# Altium PCB LED Matrix.PcbDoc (continued)
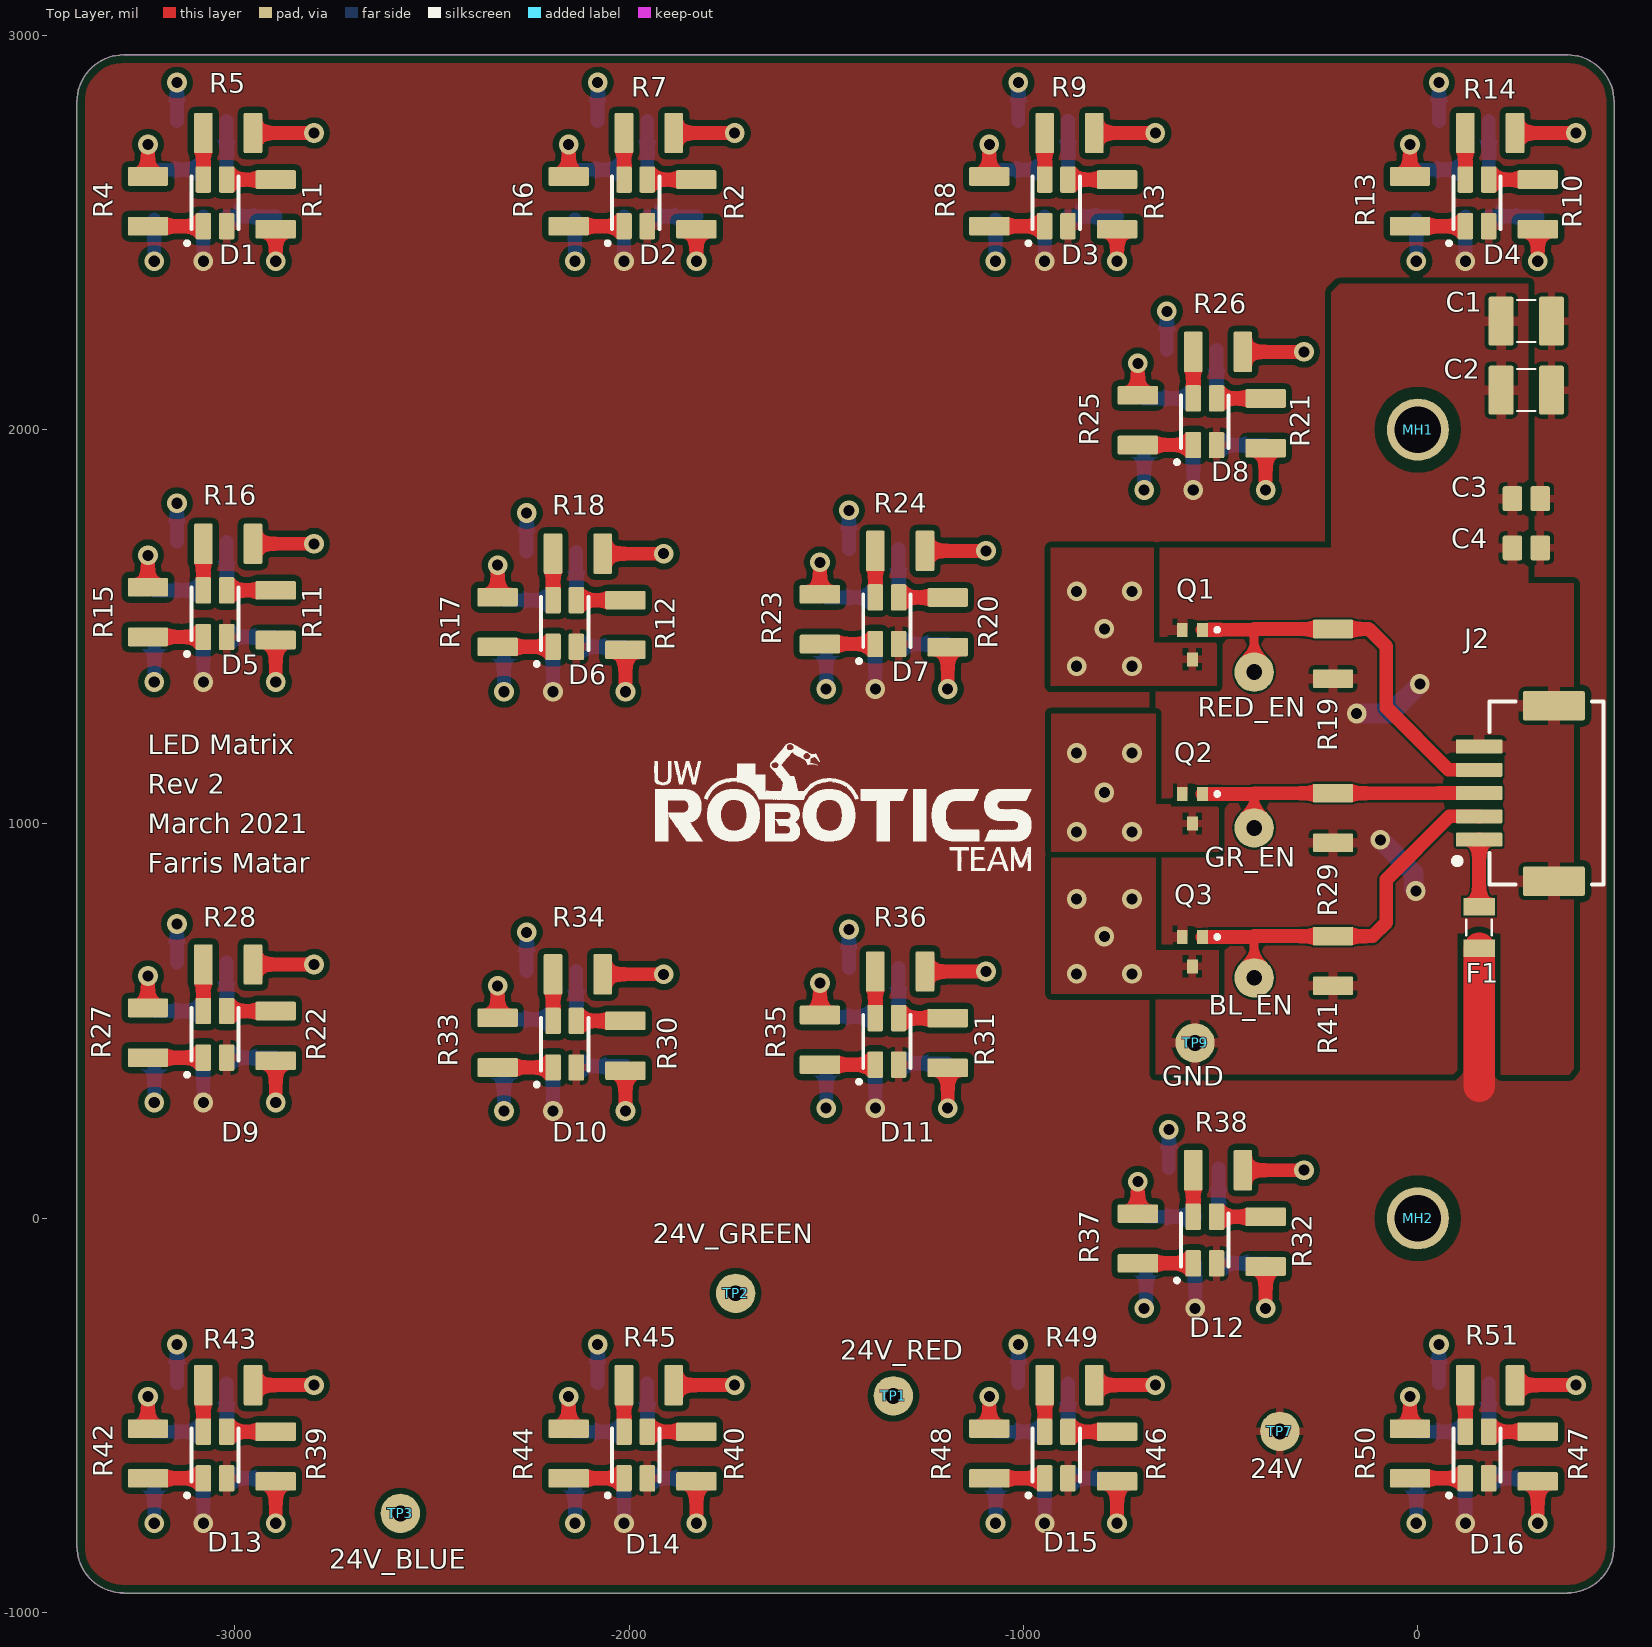
[diagram p0: Top Layer view]
## Design rules (kind name [scope] priority, off if disabled: settings)
BoardOutlineClearance [All] p1: gap=20 ignorepadtopadclearanceinfootprint=FALSE
Clearance Clearance_Nets [InNet('No Net') vs InNet('No Net')] p1: gap=25 ignorepadtopadclearanceinfootprint=FALSE
Clearance Clearance_MountingHoles [InComponent('MH1')or InComponent('MH2')] p2: gap=30 ignorepadtopadclearanceinfootprint=FALSE
Clearance "Clearance 24V" [InNet('24V')or InNet('24V_BLUE')or InNet('24V_GREEN')or InNet('24V_RED')] p3: gap=15 ignorepadtopadclearanceinfootprint=FALSE
Clearance [All] p4: gap=6 ignorepadtopadclearanceinfootprint=FALSE
ComponentClearance "HM-TRP & UFL" [InComponent('X1') vs InComponent('U1')] p1: gap=0 collisioncheckmode=3 verticalgap=0 showdistances=FALSE
ComponentClearance [All] p2: gap=1 collisioncheckmode=3 verticalgap=1 showdistances=FALSE
DiffPairsRouting [All] p1: maxlimit=393.7 minlimit=5 mostfreqgap=8 toplayer_minwidth=5 toplayer_maxwidth=15 toplayer_prefwidth=8 midlayer1_minwidth=5 midlayer1_maxwidth=15 midlayer1_prefwidth=8 midlayer2_minwidth=5 midlayer2_maxwidth=15 midlayer2_prefwidth=8 bottomlayer_minwidth=5 bottomlayer_maxwidth=15 bottomlayer_prefwidth=8 maxuncoupledlength=500
HoleSize [All] p1: absolutevalues=TRUE maxlimit=265 minlimit=10 maxpercent=80.000 minpercent=20.000
HoleToHoleClearance [All] p1: gap=10 allowstackedmicrovias=FALSE
MinimumAnnularRing [All] p1: minimumring=4
MinimumSolderMaskSliver [All] p1: minsoldermaskwidth=0
PlaneClearance [All] p1: clearance=10
PlaneConnect [All] p1: planeconnectstyle=Relief reliefexpansion=4 reliefentries=4 reliefconductorwidth=6 reliefairgap=6
PolygonConnect VIAS [isVia] p1: connectstyle=Direct reliefconductorwidth=10 reliefentries=4 polygonreliefangle="90 Angle" airgapwidth=10
PolygonConnect "PolygonConnect_Screw Terminals" [InComponent('J1')or InComponent('J2')] p2: connectstyle=Relief reliefconductorwidth=30 reliefentries=4 polygonreliefangle="90 Angle" airgapwidth=10
PolygonConnect PolygonConnect_24V [InNet('24V')or InNet('24V_BLUE')or InNet('24V_GREEN')or InNet('24V_RED')] p3: connectstyle=Relief reliefconductorwidth=20 reliefentries=4 polygonreliefangle="90 Angle" airgapwidth=10
PolygonConnect F1 [InComponent('F1')] p4: connectstyle=Relief reliefconductorwidth=20 reliefentries=4 polygonreliefangle="90 Angle" airgapwidth=10
PolygonConnect Polygon_ConnectGND [InNet('GND')] p5: connectstyle=Relief reliefconductorwidth=25 reliefentries=4 polygonreliefangle="90 Angle" airgapwidth=10
PolygonConnect [All] p6: thpad.connectstyle=Direct thpad.reliefconductorwidth=10 thpad.reliefentries=4 thpad.polygonreliefangle="90 Angle" thpad.airgapwidth=6 smdpad.connectstyle=Relief smdpad.reliefconductorwidth=10 smdpad.reliefentries=4 smdpad.polygonreliefangle="90 Angle" smdpad.airgapwidth=6 via.connectstyle=Direct via.reliefconductorwidth=10 via.reliefentries=4 via.polygonreliefangle="90 Angle" via.airgapwidth=6
RoutingCorners [All] p1: cornerstyle=45-Degree minsetback=49.21 maxsetback=49.21
RoutingVias [All] p1: holewidth=12 width=22 viastyle="Through Hole" minholewidth=10 minwidth=18 maxholewidth=100 maxwidth=114
SilkToSilkClearance [All] p1: silktosilkclearance=0
SilkToSolderMaskClearance [IsPad] p1: minsilkscreentomaskgap=5 clearancetoexposedcopper=TRUE
SolderMaskExpansion SolderMaskExpansion_1 [All] p1: expansion=4 istentingtop=FALSE
SolderMaskExpansion SolderMaskExpansion_Via [IsVia] p2: expansion=2.5 istentingtop=TRUE
Width GND [InNet('GND')] p1: maxlimit=100 minlimit=10 preferedwidth=20 minimp=50.000000 maximp=50.000000 favimp=50.000000
Width Power [InNetClass('Power')] p2: maxlimit=100 minlimit=20 preferedwidth=30 minimp=50.000000 maximp=50.000000 favimp=50.000000
Width 3V3 [InNetClass('3V3')] p3: maxlimit=100 minlimit=10 preferedwidth=20 minimp=50.000000 maximp=50.000000 favimp=50.000000
Width [All] p4: maxlimit=400 minlimit=6 preferedwidth=20 minimp=50.000000 maximp=50.000000 favimp=50.000000
20 further rules are at their usual default settings.

## Classes and differential pairs
component class "LED Matrix-2": D17 D18 D19 D20 D21 D22 D23 D24 D25 D26 D27 D28 D29 D30 D31 D32 R52 R53 R54 R55 R56 R57 R58 R59 R60 R61 R62 R63 R64 R65 R66 R67 R68 R69 R70 R71 R72 R73 R74 R75 R76 R77 R78 R79 R80 R81 R82 R83 R84 R85 R86 R87 R88 R89 R90 R91 R92 R93 R94 R95 R96 R97 R98 R99
component class "LED Matrix": BL_EN C1 C2 C3 C4 D1 D2 D3 D4 D5 D6 D7 D8 D9 D10 D11 D12 D13 D14 D15 D16 F1 GR_EN J2 MH1 MH2 Q Q1 Q2 Q3 R1 R2 R3 R4 R5 R6 R7 R8 R9 R10 R11 R12 R13 R14 R15 R16 R17 R18 R19 R20 R21 R22 R23 R24 R25 R26 R27 R28 R29 R30 R31 R32 R33 R34 R35 R36 R37 R38 R39 R40 R41 R42 R43 R44 R45 R46 R47 R48 R49 R50 R51 RED_EN TP1 TP2 TP3 TP7 TP9

## Components (designator, comment, footprint, x,y, rotation, side; value= is the part's Value field where it differs from the comment)
BL_EN "TESTPOINT_LOOP" TESTPOINT_LOOP -415,610 r0 top (schematic designator TP6)
C1 "CAP_10uF_50V_1210" CAP1210 275,2275 r0 top value=10μF
C2 "CAP_10uF_50V_1210" CAP1210 275,2100 r0 top value=10μF
C3 "CAP_1uF_50V_0805" CAP2012 275,1825 r180 top value=1μF
C4 "CAP_0.1uF_50V_0805" CAP2012 275,1700 r0 top value=0.1μF
D1 "LED_RGB" LED_RGB -3050,2575 r0 top
D2 "LED_RGB" LED_RGB -1983.33,2575 r0 top
D3 "LED_RGB" LED_RGB -916.67,2575 r0 top
D4 "LED_RGB" LED_RGB 150,2575 r0 top
D5 "LED_RGB" LED_RGB -3050,1533.33 r0 top
D6 "LED_RGB" LED_RGB -2163.33,1508.33 r0 top
D7 "LED_RGB" LED_RGB -1346.17,1515.41 r0 top
D8 "LED_RGB" LED_RGB -540,2020 r0 top
D9 "LED_RGB" LED_RGB -3050,466.67 r0 top
D10 "LED_RGB" LED_RGB -2163.33,441.67 r0 top
D11 "LED_RGB" LED_RGB -1346.17,448.75 r0 top
D12 "LED_RGB" LED_RGB -540,-55 r0 top
D13 "LED_RGB" LED_RGB -3050,-600 r0 top
D14 "LED_RGB" LED_RGB -1983.33,-600 r0 top
D15 "LED_RGB" LED_RGB -916.67,-600 r0 top
D16 "LED_RGB" LED_RGB 150,-600 r0 top
D17 "LED_RGB" LED_RGB -3050,2600 r180 bottom
D18 "LED_RGB" LED_RGB -1983.33,2600 r180 bottom
D19 "LED_RGB" LED_RGB -916.67,2600 r180 bottom
D20 "LED_RGB" LED_RGB 150,2600 r180 bottom
D21 "LED_RGB" LED_RGB -3050,1533.33 r180 bottom
D22 "LED_RGB" LED_RGB -2163.33,1508.33 r180 bottom
D23 "LED_RGB" LED_RGB -1346.17,1515.41 r180 bottom
D24 "LED_RGB" LED_RGB -540,2020 r180 bottom
D25 "LED_RGB" LED_RGB -3050,466.67 r180 bottom
D26 "LED_RGB" LED_RGB -2163.33,445.31 r180 bottom
D27 "LED_RGB" LED_RGB -1346.17,452.39 r180 bottom
D28 "LED_RGB" LED_RGB -3050,-600 r180 bottom
D29 "LED_RGB" LED_RGB -535,-55 r180 bottom
D30 "LED_RGB" LED_RGB -1983.33,-600 r180 bottom
D31 "LED_RGB" LED_RGB -916.67,-600 r180 bottom
D32 "LED_RGB" LED_RGB 150,-600 r180 bottom
F1 "FUSE_3A_1206" FUSE_1206 155.24,737.74 r90 top
GR_EN "TESTPOINT_LOOP" TESTPOINT_LOOP -415,990 r0 top (schematic designator TP5)
J2 "CON_5M_SM_RA" MOLEX-5025850570 155.24,960.32 r270 top
MH1 "MOUNTING_HOLES" MOUNTING_HOLE 0,2000 r0 top
MH2 "MOUNTING_HOLES" MOUNTING_HOLE 0,0 r0 top
Q1 "NMOS_30V_2.6A" NMOS_SOT-323 -571.72,1455 r180 top
Q2 "NMOS_30V_2.6A" NMOS_SOT-323 -571.72,1038.78 r180 top
Q3 "NMOS_30V_2.6A" NMOS_SOT-323 -571.72,676.3 r180 top
R1 "RES_4.3kΩ_1210_5%" RES1210 -2895.96,2571.06 r270 top
R2 "RES_4.3kΩ_1210_5%" RES1210 -1829.3,2571.06 r270 top
R3 "RES_4.3kΩ_1210_5%" RES1210 -762.63,2571.06 r270 top
R4 "RES_4.3kΩ_1210_5%" RES1210 -3220,2578.94 r270 top
R5 "RES_4.3kΩ_1210_5%" RES1210 -3016.54,2752.16 r0 top
R6 "RES_4.3kΩ_1210_5%" RES1210 -2153.33,2578.94 r270 top
R7 "RES_4.3kΩ_1210_5%" RES1210 -1949.87,2752.17 r0 top
R8 "RES_4.3kΩ_1210_5%" RES1210 -1086.67,2578.94 r270 top
R9 "RES_4.3kΩ_1210_5%" RES1210 -883.2,2752.17 r0 top
R10 "RES_4.3kΩ_1210_5%" RES1210 304.04,2571.06 r270 top
R11 "RES_4.3kΩ_1210_5%" RES1210 -2895.96,1529.4 r270 top
R12 "RES_4.3kΩ_1210_5%" RES1210 -2009.3,1504.4 r270 top
R13 "RES_4.3kΩ_1210_5%" RES1210 -20,2578.94 r270 top
R14 "RES_4.3kΩ_1210_5%" RES1210 183.46,2752.17 r0 top
R15 "RES_4.3kΩ_1210_5%" RES1210 -3220,1537.27 r270 top
R16 "RES_4.3kΩ_1210_5%" RES1210 -3016.54,1710.5 r0 top
R17 "RES_4.3kΩ_1210_5%" RES1210 -2333.33,1512.27 r270 top
R18 "RES_4.3kΩ_1210_5%" RES1210 -2129.87,1685.5 r0 top
R19 "RES_4.3kΩ_1210_5%" RES1210 -215,1431.38 r90 top
R20 "RES_4.3kΩ_1210_5%" RES1210 -1192.14,1511.48 r90 top
R21 "RES_4.3kΩ_1210_5%" RES1210 -385.96,2016.06 r90 top
R22 "RES_4.3kΩ_1210_5%" RES1210 -2895.96,462.73 r90 top
R23 "RES_4.3kΩ_1210_5%" RES1210 -1516.17,1519.35 r90 top
R24 "RES_4.3kΩ_1210_5%" RES1210 -1312.71,1692.58 r0 top
R25 "RES_4.3kΩ_1210_5%" RES1210 -710,2023.94 r270 top
R26 "RES_4.3kΩ_1210_5%" RES1210 -506.54,2197.17 r0 top
R27 "RES_4.3kΩ_1210_5%" RES1210 -3220,470.6 r270 top
R28 "RES_4.3kΩ_1210_5%" RES1210 -3016.54,643.83 r0 top
R29 "RES_4.3kΩ_1210_5%" RES1210 -215,1015.16 r90 top
R30 "RES_4.3kΩ_1210_5%" RES1210 -2009.3,437.73 r270 top
R31 "RES_4.3kΩ_1210_5%" RES1210 -1192.14,444.81 r270 top
R32 "RES_4.3kΩ_1210_5%" RES1210 -385.96,-58.94 r270 top
R33 "RES_4.3kΩ_1210_5%" RES1210 -2333.33,445.6 r270 top
R34 "RES_4.3kΩ_1210_5%" RES1210 -2129.87,618.83 r0 top
R35 "RES_4.3kΩ_1210_5%" RES1210 -1516.17,452.68 r270 top
R36 "RES_4.3kΩ_1210_5%" RES1210 -1312.71,625.91 r0 top
R37 "RES_4.3kΩ_1210_5%" RES1210 -710,-51.06 r270 top
R38 "RES_4.3kΩ_1210_5%" RES1210 -506.54,122.17 r0 top
R39 "RES_4.3kΩ_1210_5%" RES1210 -2895.96,-603.94 r90 top
R40 "RES_4.3kΩ_1210_5%" RES1210 -1829.3,-603.94 r270 top
R41 "RES_4.3kΩ_1210_5%" RES1210 -215,652.68 r90 top
R42 "RES_4.3kΩ_1210_5%" RES1210 -3220,-596.06 r270 top
R43 "RES_4.3kΩ_1210_5%" RES1210 -3016.54,-422.83 r0 top
R44 "RES_4.3kΩ_1210_5%" RES1210 -2153.33,-596.06 r270 top
R45 "RES_4.3kΩ_1210_5%" RES1210 -1949.87,-422.83 r0 top
R46 "RES_4.3kΩ_1210_5%" RES1210 -762.63,-603.94 r270 top
R47 "RES_4.3kΩ_1210_5%" RES1210 304.04,-603.94 r270 top
R48 "RES_4.3kΩ_1210_5%" RES1210 -1086.67,-596.06 r270 top
R49 "RES_4.3kΩ_1210_5%" RES1210 -883.2,-422.83 r0 top
R50 "RES_4.3kΩ_1210_5%" RES1210 -20,-596.06 r270 top
R51 "RES_4.3kΩ_1210_5%" RES1210 183.46,-422.83 r0 top
R52 "RES_4.3kΩ_1210_5%" RES1210 -3204.04,2596.06 r270 bottom
R53 "RES_4.3kΩ_1210_5%" RES1210 -2137.37,2596.06 r270 bottom
R54 "RES_4.3kΩ_1210_5%" RES1210 -1070.7,2596.06 r270 bottom
R55 "RES_4.3kΩ_1210_5%" RES1210 -2895.97,2603.94 r270 bottom
R56 "RES_4.3kΩ_1210_5%" RES1210 -3083.46,2782.16 r180 bottom
R57 "RES_4.3kΩ_1210_5%" RES1210 -1829.3,2603.94 r270 bottom
R58 "RES_4.3kΩ_1210_5%" RES1210 -2016.8,2782.16 r180 bottom
R59 "RES_4.3kΩ_1210_5%" RES1210 -762.63,2603.94 r270 bottom
R60 "RES_4.3kΩ_1210_5%" RES1210 -950.13,2782.16 r180 bottom
R61 "RES_4.3kΩ_1210_5%" RES1210 -4.04,2596.06 r270 bottom
R62 "RES_4.3kΩ_1210_5%" RES1210 -3204.04,1529.4 r270 bottom
R63 "RES_4.3kΩ_1210_5%" RES1210 -2317.37,1504.4 r270 bottom
R64 "RES_4.3kΩ_1210_5%" RES1210 304.03,2603.94 r270 bottom
R65 "RES_4.3kΩ_1210_5%" RES1210 116.54,2782.16 r180 bottom
R66 "RES_4.3kΩ_1210_5%" RES1210 -2895.97,1537.27 r270 bottom
R67 "RES_4.3kΩ_1210_5%" RES1210 -3083.46,1715.5 r180 bottom
R68 "RES_4.3kΩ_1210_5%" RES1210 -2009.3,1512.27 r270 bottom
R69 "RES_4.3kΩ_1210_5%" RES1210 -2196.8,1690.5 r180 bottom
R70 "RES_4.3kΩ_1210_5%" RES1210 -1500.21,1511.48 r270 bottom
R71 "RES_4.3kΩ_1210_5%" RES1210 -694.04,2016.06 r270 bottom
R72 "RES_4.3kΩ_1210_5%" RES1210 -3204.04,462.73 r270 bottom
R73 "RES_4.3kΩ_1210_5%" RES1210 -1192.14,1519.35 r270 bottom
R74 "RES_4.3kΩ_1210_5%" RES1210 -1379.64,1697.58 r180 bottom
R75 "RES_4.3kΩ_1210_5%" RES1210 -385.97,2023.94 r270 bottom
R76 "RES_4.3kΩ_1210_5%" RES1210 -573.46,2202.17 r180 bottom
R77 "RES_4.3kΩ_1210_5%" RES1210 -2895.97,470.6 r270 bottom
R78 "RES_4.3kΩ_1210_5%" RES1210 -3083.46,648.83 r180 bottom
R79 "RES_4.3kΩ_1210_5%" RES1210 -2317.37,441.37 r270 bottom
R80 "RES_4.3kΩ_1210_5%" RES1210 -1500.21,448.45 r270 bottom
R81 "RES_4.3kΩ_1210_5%" RES1210 -3204.04,-603.94 r270 bottom
R82 "RES_4.3kΩ_1210_5%" RES1210 -2009.3,449.24 r270 bottom
R83 "RES_4.3kΩ_1210_5%" RES1210 -2196.8,627.47 r180 bottom
R84 "RES_4.3kΩ_1210_5%" RES1210 -1192.14,456.32 r270 bottom
R85 "RES_4.3kΩ_1210_5%" RES1210 -1379.64,634.55 r180 bottom
R86 "RES_4.3kΩ_1210_5%" RES1210 -2895.97,-596.06 r270 bottom
R87 "RES_4.3kΩ_1210_5%" RES1210 -3083.46,-417.83 r180 bottom
R88 "RES_4.3kΩ_1210_5%" RES1210 -689.04,-58.94 r270 bottom
R89 "RES_4.3kΩ_1210_5%" RES1210 -2137.37,-603.94 r270 bottom
R90 "RES_4.3kΩ_1210_5%" RES1210 -380.97,-51.06 r270 bottom
R91 "RES_4.3kΩ_1210_5%" RES1210 -568.46,127.17 r180 bottom
R92 "RES_4.3kΩ_1210_5%" RES1210 -1829.3,-596.06 r270 bottom
R93 "RES_4.3kΩ_1210_5%" RES1210 -2016.8,-417.83 r180 bottom
R94 "RES_4.3kΩ_1210_5%" RES1210 -1070.7,-603.94 r270 bottom
R95 "RES_4.3kΩ_1210_5%" RES1210 -4.04,-603.94 r270 bottom
R96 "RES_4.3kΩ_1210_5%" RES1210 -762.63,-596.06 r270 bottom
R97 "RES_4.3kΩ_1210_5%" RES1210 -950.13,-417.83 r180 bottom
R98 "RES_4.3kΩ_1210_5%" RES1210 304.03,-596.06 r270 bottom
R99 "RES_4.3kΩ_1210_5%" RES1210 116.54,-417.83 r180 bottom
RED_EN "TESTPOINT_LOOP" TESTPOINT_LOOP -415,1385 r0 top (schematic designator TP4)
TP1 "TESTPOINT_LOOP" TESTPOINT_LOOP -1330,-450 r0 top
TP2 "TESTPOINT_LOOP" TESTPOINT_LOOP -1730,-190 r0 top
TP3 "TESTPOINT_LOOP" TESTPOINT_LOOP -2580,-748.03 r0 top
TP7 "TESTPOINT_LOOP" TESTPOINT_LOOP -350,-540 r0 top
TP9 "TESTPOINT_LOOP" TESTPOINT_LOOP -565,445 r90 top (schematic designator TP10)

## Footprints (in the part's own frame and the unit in brackets; to place one, negate y for a bottom-side part, rotate by r counter-clockwise, add the part's x,y. Pads: shape width x height; smd on the part's side, far side on the other; paste and mask are expansions set on the pad)
CAP1210 [mm]
  rrect15% 1.6x3.15 smd: 1(-1.625,0) 2(1.625,0)
  silkscreen extent -0.6,-1.35 0.6,1.35, body extent -1.7,-1.35 1.7,1.35, height 2.1
CAP2012 [mm]
  rrect20% 1.25x1.6 smd: 1(-0.895,0) 2(0.895,0)
  body extent -1.1,-0.7 1.1,0.75, height 1.41
FUSE_1206 [mil]
  rect 45x80 smd mask+1: 1(-52.5,0) 2(52.5,0)
  silkscreen extent -20,-32 20,32, body extent -65,-32 65,32, height 32
LED_RGB [mm]
  rrect20% 1x1.7 smd: 1(-0.75,-1.5) 2(-0.75,1.5) 3(0.75,1.5) 4(0.75,-1.5)
  silkscreen extent -1.92,-2.72 1.53,1.7, body extent -1.4,-1.75 1.4,1.75, height 1.89
MOLEX-5025850570 [mm]
  rrect15% 1.9x4 smd: 0(-8.625,4.82) 0(2.675,4.82)
  rrect15% 0.9x3 smd: 1(0,0) 2(-1.5,0) 3(-3,0) 4(-4.5,0) 5(-6,0)
  silkscreen extent -8.9,-1.6 2.9,8, body extent -8.9,-0.5 2.9,8, height 6.21
MOUNTING_HOLE [mm]
  round 4 hole 3 unplated: 0(0,0)
NMOS_SOT-323 [mm]
  rect 0.7x0.9 smd: 1(-0.65,-0.95) 2(0.65,-0.95) 3(0,0.95)
  silkscreen extent -1.73,-1.07 -1.48,-0.83, body extent -1,-1.05 1,1.05, height 1.1
RES1210 [mm] "Chip Resistor, Body 3.20x2.50mm"
  rrect15% 1.2x2.6 smd: 1(-1.6,0) 2(1.6,0)
  body extent -1.6,-1.25 1.6,1.25, height 0.6
TESTPOINT_LOOP [mm]
  round 2.54 hole 1.02: 1(0,0)
  body extent -1.27,-1.27 1.27,1.27, height 4.57

## Part data
BL_EN GR_EN RED_EN TP1 TP2 TP3 TP7 TP9: "PC TEST POINT MINIATURE WHITE", Manufacturer 1="Keystone Electronics", Manufacturer Part Number 1=5002, Package/Footprint=TH, Supplier Part Number 1=36-5002-ND, Mounting Type=TH, Supplier 1=Digi-Key
C1 C2: "CAP CER 10UF 50V X7R 1210", Dielectric=X7R, Manufacturer 1="Murata Electronics", Manufacturer Part Number 1=GRM32ER71H106MA12L, Supplier Part Number 1=490-12775-1-ND, Voltage Rating=50V, Supplier 1=Digi-Key
C3: "CAP CER 1UF 50V X7R 0805", LCSC Part #=C28323, Manufacturer 1="Samsung Electro-Mechanics", Manufacturer Part Number 1=CL21B105KBFNNNG, Package/Footprint=0805, Supplier Part Number 1=1276-6470-1-ND, Voltage Rating=50V, Mounting Type=SMD, Supplier 1=Digi-Key
C4: "CAP CER 0.1UF 50V X7R 0805", Dielectric=X7R, LCSC Part #=C49678, Manufacturer 1="Murata Electronics", Manufacturer Part Number 1=GCM21BR71H104KA37K, Package/Footprint=0805, Supplier Part Number 1=490-8049-1-ND, Voltage Rating=50V, Mounting Type=SMD, Supplier 1=Digi-Key
D1 D2 D3 D4 D5 D6 D7 D8 D9 D10 D11 D12 D13 D14 D15 D16 D17 D18 D19 D20 D21 D22 D23 D24 D25 D26 D27 D28 D29 D30 D31 D32: "LED RGB DIFFUSED 4PLCC SMD", Case/Package=PLCC, Color=Blue,Green,Red, Forward Voltage=3.1V, Lens Color=White, Manufacturer 1=Broadcom, Manufacturer Part Number 1=ASMB-MTB1-0A3A2, Package/Footprint=4-PLCC, Supplier Part Number 1=516-3280-1-ND, Test Current=20mA, Dominant Wavelength=470nm, Height=1.9mm, Length=3.2mm, Lens Style=Round, Lens Transparency=Diffused, Luminous Intensity=350mcd, Mounting Type=SMD, Number of Pins=4, Supplier 1=Digi-Key, Viewing Angle=115°, Width=2.8mm
F1: "FUSE BOARD MNT 3A 32VAC/VDC 1206", Current Rating=3A, Manufacturer 1=Littelfuse, Manufacturer Part Number 1=0466003.NR, Package/Footprint=1206, Supplier Part Number 1=F1458CT-ND, Working Voltage=32V, Mounting Type=SMD, Response Time="Fast Blow", Supplier 1=Digi-Key
J2: "CONN HEADER SMD RIGHT ANGLE 1.5MM PITCH", Current Rating=2A, Manufacturer 1=Molex, Manufacturer Part Number 1=5025850570, Package/Footprint=SMD, Supplier Part Number 1=WM14469CT-ND, Family=CLIK-Mate, Mounting Type=SMD, Orientation="Right Angle", Supplier 1=Digi-Key
MH1 MH2: "6cm x 6cm"
Q1 Q2 Q3: "MOSFET N-CH 30V 2.6A SOT-323", Manufacturer 1="Diodes Incorporated", Manufacturer Part Number 1=DMN3067LW, Package/Footprint=SOT-323, Supplier Part Number 1=DMN3067LW-7DICT-ND, Id=2.6A, Mounting Type=SMD, Supplier 1=Digi-Key, Vdss=30V, Vgs (Max)=±12V
R1 R2 R3 R4 R5 R6 R7 R8 R9 R10 R11 R12 R13 R14 R15 R16 R17 R18 R19 R20 R21 R22 R23 R24 R25 R26 R27 R28 R29 R30 R31 R32 R33 R34 R35 R36 R37 R38 R39 R40 R41 R42 R43 R44 R45 R46 R47 R48 R49 R50 R51 R52 R53 R54 R55 R56 R57 R58 R59 R60 R61 R62 R63 R64 R65 R66 R67 R68 R69 R70 R71 R72 R73 R74 R75 R76 R77 R78 R79 R80 R81 R82 R83 R84 R85 R86 R87 R88 R89 R90 R91 R92 R93 R94 R95 R96 R97 R98 R99: "RES 4.3K OHM 5% 1/2W 1210", Manufacturer 1=Panasonic, Manufacturer Part Number 1=ERJ-14YJ432U, Package=1210, Resistance=4.3kΩ, Supplier Part Number 1=P4.3KVCT-ND, Tolerance=5%, Mounting Type=SMD, Supplier 1=Digi-Key

## Via types
v1: diameter 50, hole 28, Top Layer to Bottom Layer, tented both sides, 115 vias

## Nets (pads, with @x,y where several pads share a name; then routed paths per layer and width w, separated by ;. In a path a pad name is that pad's centre, name@x,y a point inside that pad or via, vN(x,y) a via of type N, cw(c..) or ccw(c..) an arc to the next point about the centre after c; other vN are vias at no path point)
24V: C1.2 C2.2 C3.1 C4.2 D1.4 D2.4 D3.4 D4.4 D5.4 D6.4 D7.4 D8.4 D9.4 D10.4 D11.4 D12.4 D13.4 D14.4 D15.4 D16.4 D17.4 D18.4 D19.4 D20.4 D21.4 D22.4 D23.4 D24.4 D25.4 D26.4 D27.4 D28.4 D29.4 D30.4 D31.4 D32.4 F1.1 TP7.1 | length 2173.6
  Top Layer w80: 155.24,335.24 F1.1
  Bottom Layer w35: v1(-3079.53,-773.03) D28.4 ; v1(-3079.53,293.63) D25.4 ; v1(-3079.53,1360.3) D21.4 ; v1(-3079.53,2426.97) D17.4 ; v1(-2192.86,272.28) D26.4 ; v1(-2192.86,1335.3) D22.4 ; v1(-2012.86,-773.03) D30.4 ; v1(-2012.86,2426.97) D18.4 ; v1(-1375.7,279.36) D27.4 ; v1(-1375.7,1342.38) D23.4 ; v1(-946.19,-773.03) D31.4 ; v1(-946.19,2426.97) D19.4 ; v1(-569.53,1846.97) D24.4 ; v1(-564.53,-228.03) D29.4 ; v1(120.47,-773.03) D32.4 ; v1(120.47,2426.97) D20.4
24V_BLUE: Q3.3 R1.2 R2.2 R3.2 R10.2 R11.2 R12.2 R20.1 R21.1 R22.1 R30.2 R31.2 R32.2 R39.1 R40.2 R46.2 R47.2 R52.2 R53.2 R54.2 R61.2 R62.2 R63.2 R70.2 R71.2 R72.2 R79.2 R80.2 R81.2 R88.2 R89.2 R94.2 R95.2 TP3.1 | length 2995.3
  Top Layer w35: -2895.96,-748.03 R39.1 ; -2895.96,318.64 R22.1 ; -2895.96,1385.3 R11.2 ; v1(-2895.96,2426.97) R1.2 ; v1@-2009.3,293.64 R30.2 ; -2009.3,1360.3 R12.2 ; -1829.3,-748.03 R40.2 ; v1(-1829.3,2426.97) R2.2 ; v1@-1192.14,300.72 R31.2 ; -1192.14,1367.38 R20.1 ; -762.63,-748.03 R46.2 ; v1(-762.63,2426.97) R3.2 ; -385.96,-203.03 R32.2 ; -385.96,1871.97 R21.1 ; 304.04,-748.03 R47.2 ; v1(304.04,2426.97) R10.2
  Bottom Layer w35: v1(-3204.04,-773.03) R81.2 ; v1(-3204.04,293.63) R72.2 ; v1(-3204.04,1360.3) R62.2 ; v1(-3204.04,2426.97) R52.2 ; v1(-2317.37,272.28) R79.2 ; v1(-2317.37,1335.3) R63.2 ; v1(-2137.37,-773.03) R89.2 ; v1(-2137.37,2426.97) R53.2 ; v1(-1500.21,279.36) R80.2 ; v1(-1500.21,1342.38) R70.2 ; v1(-1070.7,-773.03) R94.2 ; v1(-1070.7,2426.97) R54.2 ; v1(-694.04,1846.97) R71.2 ; v1@-689.04,-228.03 R88.2 ; v1(-4.04,-773.03) R95.2 ; v1(-4.04,2426.97) R61.2
  other v1: -2895.96,-773.03 -1829.3,-773.03 -762.63,-773.03 304.04,-773.03 -694.04,-228.03 -385.96,-228.03 -2009.3,272.28 -1192.14,279.36 -2895.96,293.63 -865,620 -725,620 -795,715 -865,810 -725,810 -2009.3,1335.3 -1192.14,1342.38 -2895.96,1360.3 -385.96,1846.97
24V_GREEN: Q2.3 R5.2 R7.2 R9.2 R14.2 R16.2 R18.2 R24.2 R26.2 R28.2 R34.2 R36.2 R38.2 R43.2 R45.2 R49.2 R51.2 R56.2 R58.2 R60.2 R65.2 R67.2 R69.2 R74.2 R76.2 R78.2 R83.2 R85.2 R87.2 R91.2 R93.2 R97.2 R99.2 TP2.1 | length 4040.6
  Top Layer w35: R43.2 v1(-2798.84,-422.83) ; R28.2 v1(-2798.84,643.83) ; R16.2 v1(-2798.84,1710.5) ; R5.2 v1(-2798.84,2752.16) ; R34.2 v1(-1912.17,618.83) ; R18.2 v1(-1912.17,1685.5) ; R45.2 v1(-1732.17,-422.83) ; R7.2 v1(-1732.17,2752.17) ; R36.2 v1(-1095.01,625.91) ; R24.2 v1(-1095.01,1692.58) ; R49.2 v1(-665.51,-422.83) ; R9.2 v1(-665.51,2752.17) ; R38.2 v1(-288.84,122.17) ; R26.2 v1(-288.84,2197.17) ; R51.2 v1(401.16,-422.83) ; R14.2 v1(401.16,2752.17)
  Bottom Layer w35: R87.2 v1(-3146.46,-320) ; R78.2 v1(-3146.46,746.67) ; R67.2 v1(-3146.46,1813.33) ; R56.2 v1(-3146.46,2880) ; R83.2 v1(-2259.79,725.31) ; R69.2 v1(-2259.79,1788.33) ; R93.2 v1(-2079.79,-320) ; R58.2 v1(-2079.79,2880) ; R85.2 v1(-1442.63,732.39) ; R74.2 v1(-1442.63,1795.41) ; R97.2 v1(-1013.12,-320) ; R60.2 v1(-1013.12,2880) ; R76.2 v1(-636.46,2300) ; R91.2 v1(-631.46,225) ; R99.2 v1(53.54,-320) ; R65.2 v1(53.54,2880)
  other v1: -865,980 -725,980 -795,1080 -865,1180 -725,1180
24V_RED: Q1.3 R4.1 R6.1 R8.1 R13.1 R15.1 R17.1 R23.2 R25.1 R27.1 R33.1 R35.1 R37.1 R42.1 R44.1 R48.1 R50.1 R55.1 R57.1 R59.1 R64.1 R66.1 R68.1 R73.1 R75.1 R77.1 R82.1 R84.1 R86.1 R90.1 R92.1 R96.1 R98.1 TP1.1 | length 1297.6
  Top Layer w35: R42.1 v1(-3220,-451.97) ; R27.1 v1(-3220,614.7) ; R15.1 v1(-3220,1681.37) ; R4.1 v1(-3220,2723.03) ; R33.1 v1(-2333.33,589.7) ; R17.1 v1(-2333.33,1656.37) ; R44.1 v1(-2153.33,-451.97) ; R6.1 v1(-2153.33,2723.03) ; R35.1 v1(-1516.17,596.78) ; R23.2 v1(-1516.17,1663.45) ; R48.1 v1(-1086.67,-451.97) ; R8.1 v1(-1086.67,2723.03) ; R37.1 v1(-710,93.03) ; R25.1 v1(-710,2168.03) ; R50.1 v1(-20,-451.97) ; R13.1 v1(-20,2723.03)
  other v1: -865,1400 -725,1400 -795,1495 -865,1590 -725,1590
BLUE_ENABLE: BL_EN.1 J2.2 Q3.1 R41.2 | length 997.8
  Top Layer w20: BL_EN.1 -415,715.67
  Top Layer w35: Q3.1 -416.97,713.7 -415,715.67 R41.2 -114.33,715.67 -80,750 -80,859.17 80.41,1019.59 155.03,1019.59 J2.2
GND: C1.1 C2.1 C3.2 C4.1 J2.0 J2.5 Q1.2 Q2.2 Q3.2 R19.1 R29.1 R41.1 TP9.1 | length 358.3
  Bottom Layer w50: v1(-155,1280) -70,1280 v1(5,1355) ; v1(-95,960) -10.74,875.74 -10.74,835.74 v1(-5,830)
GREEN_ENABLE: GR_EN.1 J2.3 Q2.1 R29.2 | length 795.3
  Top Layer w20: GR_EN.1 -415,1078.15
  Top Layer w35: Q2.1 -416.97,1076.18 -415,1078.15 R29.2 51.57,1078.15 ; 51.57,1078.43 J2.3 J2.3@160.24,1078.43
NetD1_1: D1.1 R4.2 | length 140.5
  Top Layer w35: R4.2 D1.1
NetD1_2: D1.2 R5.1 | length 118.1
  Top Layer w35: D1.2 R5.1
NetD1_3: D1.3 R1.1 | length 124.5
  Top Layer w35: D1.3 R1.1
NetD2_1: D2.1 R6.2 | length 140.5
  Top Layer w35: R6.2 D2.1
NetD2_2: D2.2 R7.1 | length 118.1
  Top Layer w35: D2.2 R7.1
NetD2_3: D2.3 R2.1 | length 124.5
  Top Layer w35: D2.3 R2.1
NetD3_1: D3.1 R8.2 | length 140.5
  Top Layer w35: R8.2 D3.1
NetD3_2: D3.2 R9.1 | length 118.1
  Top Layer w35: D3.2 R9.1
NetD3_3: D3.3 R3.1 | length 124.5
  Top Layer w35: D3.3 R3.1
NetD4_1: D4.1 R13.2 | length 140.5
  Top Layer w35: R13.2 D4.1
NetD4_2: D4.2 R14.1 | length 118.1
  Top Layer w35: D4.2 R14.1
NetD4_3: D4.3 R10.1 | length 124.5
  Top Layer w35: D4.3 R10.1
NetD5_1: D5.1 R15.2 | length 140.5
  Top Layer w35: R15.2 D5.1
NetD5_2: D5.2 R16.1 | length 118.1
  Top Layer w35: D5.2 R16.1
NetD5_3: D5.3 R11.1 | length 124.5
  Top Layer w35: D5.3 R11.1
NetD6_1: D6.1 R17.2 | length 140.5
  Top Layer w35: R17.2 D6.1
NetD6_2: D6.2 R18.1 | length 118.1
  Top Layer w35: D6.2 R18.1
NetD6_3: D6.3 R12.1 | length 124.5
  Top Layer w35: D6.3 R12.1
NetD7_1: D7.1 R23.1 | length 140.5
  Top Layer w35: R23.1 D7.1
NetD7_2: D7.2 R24.1 | length 118.1
  Top Layer w35: D7.2 R24.1
NetD7_3: D7.3 R20.2 | length 124.5
  Top Layer w35: D7.3 R20.2
NetD8_1: D8.1 R25.2 | length 140.5
  Top Layer w35: R25.2 D8.1
NetD8_2: D8.2 R26.1 | length 118.1
  Top Layer w35: D8.2 R26.1
NetD8_3: D8.3 R21.2 | length 124.5
  Top Layer w35: D8.3 R21.2
NetD9_1: D9.1 R27.2 | length 140.5
  Top Layer w35: R27.2 D9.1
NetD9_2: D9.2 R28.1 | length 118.1
  Top Layer w35: D9.2 R28.1
NetD9_3: D9.3 R22.2 | length 124.5
  Top Layer w35: D9.3 R22.2
NetD10_1: D10.1 R33.2 | length 140.5
  Top Layer w35: R33.2 D10.1
NetD10_2: D10.2 R34.1 | length 118.1
  Top Layer w35: D10.2 R34.1
NetD10_3: D10.3 R30.1 | length 124.5
  Top Layer w35: D10.3 R30.1
NetD11_1: D11.1 R35.2 | length 140.5
  Top Layer w35: R35.2 D11.1
NetD11_2: D11.2 R36.1 | length 118.1
  Top Layer w35: D11.2 R36.1
NetD11_3: D11.3 R31.1 | length 124.5
  Top Layer w35: D11.3 R31.1
NetD12_1: D12.1 R37.2 | length 140.5
  Top Layer w35: R37.2 D12.1
NetD12_2: D12.2 R38.1 | length 118.1
  Top Layer w35: D12.2 R38.1
NetD12_3: D12.3 R32.1 | length 124.5
  Top Layer w35: D12.3 R32.1
NetD13_1: D13.1 R42.2 | length 140.5
  Top Layer w35: R42.2 D13.1
NetD13_2: D13.2 R43.1 | length 118.1
  Top Layer w35: D13.2 R43.1
NetD13_3: D13.3 R39.2 | length 124.5
  Top Layer w35: D13.3 R39.2
NetD14_1: D14.1 R44.2 | length 140.5
  Top Layer w35: R44.2 D14.1
NetD14_2: D14.2 R45.1 | length 118.1
  Top Layer w35: D14.2 R45.1
NetD14_3: D14.3 R40.1 | length 124.5
  Top Layer w35: D14.3 R40.1
NetD15_1: D15.1 R48.2 | length 140.5
  Top Layer w35: R48.2 D15.1
NetD15_2: D15.2 R49.1 | length 118.1
  Top Layer w35: D15.2 R49.1
NetD15_3: D15.3 R46.1 | length 124.5
  Top Layer w35: D15.3 R46.1
NetD16_1: D16.1 R50.2 | length 140.5
  Top Layer w35: R50.2 D16.1
NetD16_2: D16.2 R51.1 | length 118.1
  Top Layer w35: D16.2 R51.1
NetD16_3: D16.3 R47.1 | length 124.5
  Top Layer w35: D16.3 R47.1
NetD17_1: D17.1 R55.2 | length 124.5
  Bottom Layer w35: D17.1 R55.2
NetD17_2: D17.2 R56.1 | length 123.1
  Bottom Layer w35: D17.2 R56.1
NetD17_3: D17.3 R52.1 | length 124.5
  Bottom Layer w35: R52.1 D17.3
NetD18_1: D18.1 R57.2 | length 124.5
  Bottom Layer w35: D18.1 R57.2
NetD18_2: D18.2 R58.1 | length 123.1
  Bottom Layer w35: D18.2 R58.1
NetD18_3: D18.3 R53.1 | length 124.5
  Bottom Layer w35: R53.1 D18.3
NetD19_1: D19.1 R59.2 | length 124.5
  Bottom Layer w35: D19.1 R59.2
NetD19_2: D19.2 R60.1 | length 123.1
  Bottom Layer w35: D19.2 R60.1
NetD19_3: D19.3 R54.1 | length 124.5
  Bottom Layer w35: R54.1 D19.3
NetD20_1: D20.1 R64.2 | length 124.5
  Bottom Layer w35: D20.1 R64.2
NetD20_2: D20.2 R65.1 | length 123.1
  Bottom Layer w35: D20.2 R65.1
NetD20_3: D20.3 R61.1 | length 124.5
  Bottom Layer w35: R61.1 D20.3
NetD21_1: D21.1 R66.2 | length 124.5
  Bottom Layer w35: D21.1 R66.2
NetD21_2: D21.2 R67.1 | length 123.1
  Bottom Layer w35: D21.2 R67.1
NetD21_3: D21.3 R62.1 | length 124.5
  Bottom Layer w35: R62.1 D21.3
NetD22_1: D22.1 R68.2 | length 124.5
  Bottom Layer w35: D22.1 R68.2
NetD22_2: D22.2 R69.1 | length 123.1
  Bottom Layer w35: D22.2 R69.1
NetD22_3: D22.3 R63.1 | length 124.5
  Bottom Layer w35: R63.1 D22.3
NetD23_1: D23.1 R73.2 | length 124.5
  Bottom Layer w35: D23.1 R73.2
NetD23_2: D23.2 R74.1 | length 123.1
  Bottom Layer w35: D23.2 R74.1
NetD23_3: D23.3 R70.1 | length 124.5
  Bottom Layer w35: R70.1 D23.3
NetD24_1: D24.1 R75.2 | length 124.5
  Bottom Layer w35: D24.1 R75.2
NetD24_2: D24.2 R76.1 | length 123.1
  Bottom Layer w35: D24.2 R76.1
NetD24_3: D24.3 R71.1 | length 124.5
  Bottom Layer w35: R71.1 D24.3
NetD25_1: D25.1 R77.2 | length 124.5
  Bottom Layer w35: D25.1 R77.2
NetD25_2: D25.2 R78.1 | length 123.1
  Bottom Layer w35: D25.2 R78.1
NetD25_3: D25.3 R72.1 | length 124.5
  Bottom Layer w35: R72.1 D25.3
NetD26_1: D26.1 R82.2 | length 124.5
  Bottom Layer w35: D26.1 R82.2
NetD26_2: D26.2 R83.1 | length 123.1
  Bottom Layer w35: D26.2 R83.1
NetD26_3: D26.3 R79.1 | length 124.5
  Bottom Layer w35: R79.1 D26.3
NetD27_1: D27.1 R84.2 | length 124.5
  Bottom Layer w35: D27.1 R84.2
NetD27_2: D27.2 R85.1 | length 123.1
  Bottom Layer w35: D27.2 R85.1
NetD27_3: D27.3 R80.1 | length 124.5
  Bottom Layer w35: R80.1 D27.3
NetD28_1: D28.1 R86.2 | length 124.5
  Bottom Layer w35: D28.1 R86.2
NetD28_2: D28.2 R87.1 | length 123.1
  Bottom Layer w35: D28.2 R87.1
NetD28_3: D28.3 R81.1 | length 124.5
  Bottom Layer w35: R81.1 D28.3
NetD29_1: D29.1 R90.2 | length 124.5
  Bottom Layer w35: D29.1 R90.2
NetD29_2: D29.2 R91.1 | length 123.1
  Bottom Layer w35: D29.2 R91.1
NetD29_3: D29.3 R88.1 | length 124.5
  Bottom Layer w35: R88.1 D29.3
NetD30_1: D30.1 R92.2 | length 124.5
  Bottom Layer w35: D30.1 R92.2
NetD30_2: D30.2 R93.1 | length 123.1
  Bottom Layer w35: D30.2 R93.1
NetD30_3: D30.3 R89.1 | length 124.5
  Bottom Layer w35: R89.1 D30.3
NetD31_1: D31.1 R96.2 | length 124.5
  Bottom Layer w35: D31.1 R96.2
NetD31_2: D31.2 R97.1 | length 123.1
  Bottom Layer w35: D31.2 R97.1
NetD31_3: D31.3 R94.1 | length 124.5
  Bottom Layer w35: R94.1 D31.3
NetD32_1: D32.1 R98.2 | length 124.5
  Bottom Layer w35: D32.1 R98.2
NetD32_2: D32.2 R99.1 | length 123.1
  Bottom Layer w35: D32.2 R99.1
NetD32_3: D32.3 R95.1 | length 124.5
  Bottom Layer w35: R95.1 D32.3
NetF1_2: F1.2 J2.1 | length 170.1
  Top Layer w35: F1.2 J2.1
RED_ENABLE: J2.4 Q1.1 R19.2 RED_EN.1 | length 1055.2
  Top Layer w20: RED_EN.1 -415,1494.37
  Top Layer w35: Q1.1 -416.97,1492.4 -415,1494.37 R19.2 -124.37,1494.37 -80,1450 -80,1295 77.52,1137.48 J2.4@160.24,1137.48
pads on no net: MH1.0 MH2.0

## Polygon pours and split planes (outlines as drawn)
24V on Top Layer "L1 - 24V" (solid, remove dead copper, pour order 48): -3400,2932.72 -3400,-963.49 498.14,-963.49 498.14,2934.15
GND on Top Layer "L1 - GND" (solid, remove dead copper, pour order 47): -665,365.62 -665,1700 -220,1700 -220,2348.47 -198.47,2370 280,2370 280,1610 395,1610 395,375.11 11783.9,354.1
24V_GREEN on Top Layer "24V_GREENMOS" (solid, remove dead copper, pour order 40): -505,1050 -665,1050 -665,1280 -930,1280 -930,930 -505,930
24V_BLUE on Top Layer "24V_BLUEMOS" (solid, remove dead copper, pour order 45): -505,680 -665,680 -665,920 -930,920 -930,570 -505,570
24V_RED on Top Layer "24V_REDMOS" (solid, pour order 38): -750,1350 -930.29,1350 -930.29,1700 -920,1700 -670,1700 -670,1460 -510,1460 -510,1350
24V_RED on Bottom Layer "L4 - 24V Red" (solid, remove dead copper, pour order 53): -3400,2950 -3400,-950 497.64,-950 497.64,2950
GND on Bottom Layer "GND_L04_P054" (solid, pour order 54): -220,1440 70,1440 70,750 -220,750
24V_BLUE on Layer 2 "L2 - 24V_BLUE" (solid, remove dead copper, pour order 8): -3400,2947.64 -3400,-950.5 498.14,-950.5 498.14,2947.14
24V_GREEN on Layer 3 "L3 - 24V Green" (solid, remove dead copper, pour order 11): -3400,2949.72 -3400,-949.57 497.64,-949.57 497.64,2958.93

## Keep-outs
Keep-Out Layer:
  lines w0.25: -3281.89,2950 ccw(c-3281.89,2831.89) -3400,2831.89 -3400,2470 -3400,-831.53 ccw(c-3281.89,-831.53) -3281.89,-949.64 -3281.89,-950 379.53,-950 379.53,-949.57 ccw(c379.53,-831.46) 497.64,-831.46 ; -3281.89,2950 379.53,2950 cw(c379.53,2831.89) 497.64,2831.89 ; -3281.89,2950 -3281.89,2950 ; 497.64,-831.46 497.64,-831.46 ; 497.64,-831.46 497.64,2831.89 ; 497.64,2831.89 497.64,2831.89

## Silkscreen, mask and mechanical layers (free items; w line width, h text height)
Top Overlay:
  drawing of 16 lines, arcs and shapes, not listed
  text "LED Matrix" at -3220,1160 h85
  text "Rev 2" at -3220,1060 h85
  text "March 2021" at -3220,960 h85
  text "Farris Matar" at -3220,860 h85
  text "GND" at -647.5,320 h85
  text "24V_GREEN" at -1940,-80 h85
  text "24V_RED" at -1465,-375 h85
  text "24V" at -425,-675 h85
  text "24V_BLUE" at -2760,-905 h85
Bottom Overlay:
  drawing of 28 lines, arcs and shapes, not listed
  text "LED Matrix" at -2370,95 h85
  text "Rev 2" at -2370,-5 h85
  text "March 2021" at -2370,-105 h85
  text "Farris Matar" at -2370,-205 h85
Mechanical 1:
  circle w0.5: c261.92,2159.74 r59.06
  lines w0.5: -3399.5,2829.03 cw(c-3281.39,2829.03) -3281.39,2947.14 ; 380.03,-950.5 ccw(c380.03,-832.39) 498.14,-832.39 ; 380.03,2947.14 cw(c380.03,2829.03) 498.14,2829.03
Board Outline:
  lines w10: -3281.89,-950 379.53,-950 ; -3281.89,-949.64 cw(c-3281.89,-831.53) -3400,-831.53 -3400,2470 -3400,2831.89 cw(c-3281.89,2831.89) -3281.89,2950 379.53,2950 cw(c379.53,2831.89) 497.64,2831.89 497.64,-831.46 cw(c379.53,-831.46) 379.53,-949.57